# KiCad board 192_key.kicad_pcb (continued)
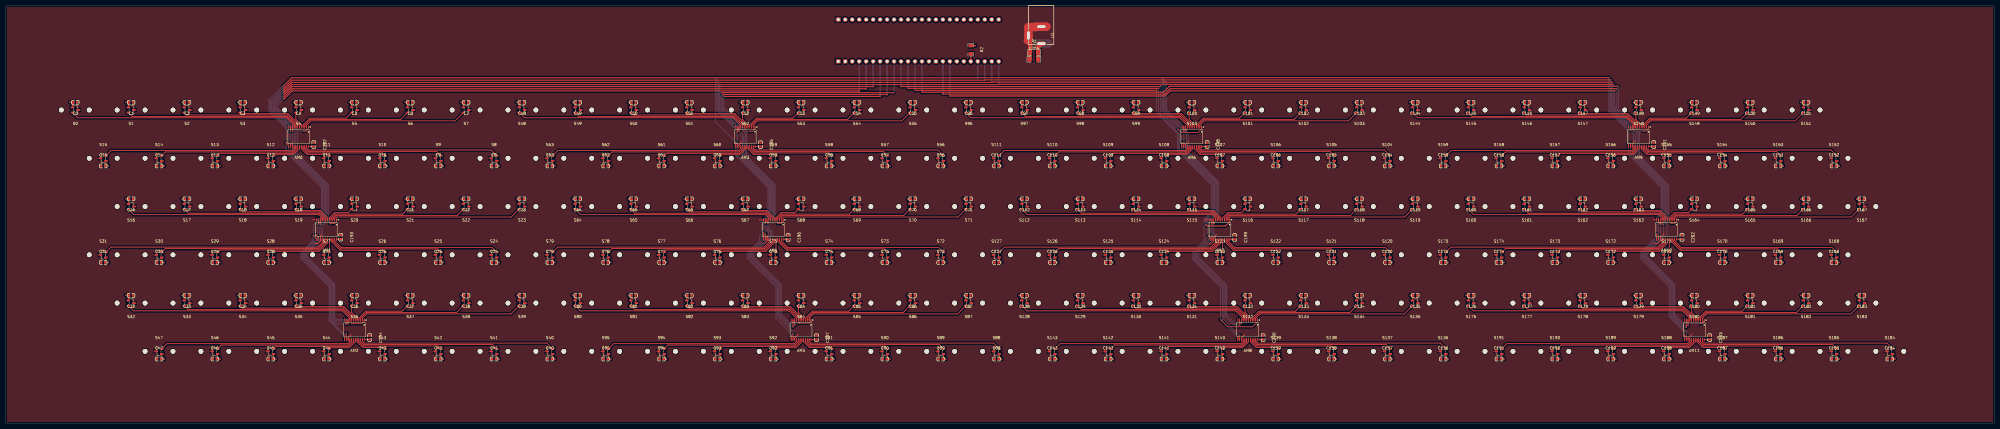
[diagram p0: board, top side]
## Routing (per net, layer and track width the routed paths; a pad name or vN(x,y) marks a point on that pad's centre or on a via; arc(x,y) is an arc through that point) (continued)
GND: length 64.4
  Top w0.305: AM4.12 274.34,74.27 274.32,74.29 ; AM8.15 449.82,31.25 450.85,32.28 451.08,32.28 ; 267.69,103.07 267.69,102.39 266.94,101.64 AM3.15 ; 593.24,103.12 592.06,101.94 AM9.15 ; 599.72,74.27 599.72,74.27 AM10.12 ; 104.65,102.69 104.38,102.42 AM0.15 ; 436.55,74.24 436.58,74.27 AM7.12 ; 430.61,102.84 429.5,101.73 AM6.15 ; 600.18,65.61 601.31,65.61 602.28,66.58 AM10.15 602.28,67.81 603.51,69.04 603.76,69.04 ; 125.76,32.31 125.76,32.31 124.7,31.25 AM2.15 ; 613.89,32.69 612.38,31.17 AM11.15 ; 438.1,65.43 438.65,65.43 439.72,66.5 AM7.15 439.72,67.76 440.89,68.94 ; AM1.12 111.91,74.27 111.89,74.29 ; 288.37,32.41 288.37,32.36 287.26,31.25 AM5.15 ; 112.52,65.66 113.76,65.66 114.6,66.5 AM1.15 114.6,68.3 115.16,68.86 ; 277.29,68.48 277.16,68.35 AM4.15 277.16,66.5 276.25,65.59 276.25,65.58
  Top w1.524: U1.3 372.86,140.93 R1.1 372.69,135.16 C204.1
  Top w3.048: 378.79,144.68 378.78,144.67 U1.2 375.1,144.67 374.95,144.53 372.36,144.53 372.31,144.47 U1.3 372.31,139.93 372.06,139.67
AM0: length 241.4
  Top w0.305: v1(108.51,106.63) 109.42,106.63 110.24,107.45 AM0.1
  Top w0.381: v1(310.69,121.31) 310.65,121.26 104.37,121.26 101.48,118.36 v1(101.19,118.36)
  Bottom w0.305: 98.98,115.11 107.46,106.63 v1(108.51,106.63) ; 98.98,115.11 98.91,115.11 ; 98.98,115.11 98.98,116.15 v1(101.19,118.36)
  Bottom w0.381: J2.4 v1(310.69,121.31)
AM0:0: length 83.1
  Top w0.305: S0.2 26.29,111.46 102.24,111.46 105.03,108.67 AM0.9
AM0:1: length 63.5
  Top w0.305: AM0.8 105.68,108.76 102.46,111.97 46.1,111.97 S1.2
AM0:2: length 43.9
  Top w0.305: AM0.7 106.33,108.82 102.67,112.47 65.92,112.47 S2.2
AM0:3: length 24.2
  Top w0.305: S3.2 85.73,112.98 102.88,112.98 106.98,108.88 AM0.6
AM0:4: length 6.1
  Top w0.305: S4.2 105.68,110.89 107.64,108.94 AM0.5
AM0:5: length 20.3
  Top w0.305: S5.2 124,111.35 110.75,111.35 108.29,108.88 AM0.4
AM0:6: length 40
  Top w0.305: S6.2 143.81,110.84 110.96,110.84 108.94,108.82 AM0.3
AM0:7: length 59.6
  Top w0.305: AM0.2 109.59,108.76 111.17,110.34 163.63,110.34 S7.2
AM0:8: length 71
  Top w0.305: AM0.23 109.59,100.33 110.19,99.72 176.73,99.72 S8.2
AM0:9: length 51.3
  Top w0.305: AM0.22 108.94,100.26 109.98,99.22 156.92,99.22 S9.2
AM0:10: length 31.7
  Top w0.305: S10.2 137.16,98.65 109.84,98.65 108.29,100.2 AM0.21
AM0:11: length 12.1
  Top w0.305: AM0.20 107.64,100.14 109.63,98.15 117.35,98.15 S11.2
AM0:12: length 11.3
  Top w0.305: S12.2 97.86,97.99 104.83,97.99 106.98,100.14 AM0.19
AM0:13: length 31
  Top w0.305: S13.2 78.05,98.5 104.63,98.5 106.33,100.2 AM0.18
AM0:14: length 50.6
  Top w0.305: S14.2 58.23,99.01 104.42,99.01 105.68,100.26 AM0.17
AM0:15: length 70.2
  Top w0.305: AM0.16 105.03,100.33 104.21,99.51 38.42,99.51 S15.2
AM1: length 282.2
  Top w0.305: v1(118.26,72.9) 119.74,72.9 120.46,73.62 AM1.1
  Top w0.381: v1(101.19,119.16) 101.46,119.16 104.31,122.02 v1(313.28,122.02)
  Bottom w0.305: v1(118.26,72.9) 117.48,73.68 117.48,87.09 106.17,98.4 106.17,107.13 98.4,114.91 98.4,116.49 101.07,119.16 v1(101.19,119.16)
  Bottom w0.381: J2.5 313.23,122.07 v1(313.28,122.02)
AM1:0: length 72.5
  Top w0.305: S16.2 46.72,76.15 114.03,76.15 115.25,74.93 AM1.9
AM1:1: length 52.9
  Top w0.305: AM1.8 115.9,74.99 114.24,76.66 66.54,76.66 S17.2
AM1:2: length 33.3
  Top w0.305: S18.2 86.35,77.16 114.45,77.16 116.55,75.06 AM1.7
AM1:3: length 13.6
  Top w0.305: S19.2 106.17,77.67 114.65,77.67 117.2,75.12 AM1.6
AM1:4: length 10.2
  Top w0.305: AM1.5 117.86,75.04 119.68,76.85 124.7,76.85 S20.2
AM1:5: length 29.8
  Top w0.305: AM1.4 118.51,74.97 119.89,76.35 144.51,76.35 S21.2
AM1:6: length 49.5
  Top w0.305: S22.2 164.33,75.84 120.09,75.84 119.16,74.91 AM1.3
AM1:7: length 69.1
  Top w0.305: S23.2 184.09,75.29 120.25,75.29 119.81,74.85 AM1.2
AM1:8: length 61.3
  Top w0.305: AM1.23 119.81,66.58 122.23,64.16 177.1,64.16 S24.2
AM1:9: length 41.6
  Top w0.305: AM1.22 119.16,66.5 122,63.66 157.28,63.66 S25.2
AM1:10: length 22
  Top w0.305: AM1.21 118.51,66.43 121.8,63.15 137.47,63.15 S26.2
AM1:11: length 4.7
  Top w0.305: S27.2 117.86,62.48 AM1.20
AM1:12: length 22.4
  Top w0.305: S28.2 97.85,62.79 114.15,62.79 117.2,65.84 AM1.19
AM1:13: length 42
  Top w0.305: S29.2 78.04,63.29 113.94,63.29 116.55,65.91 AM1.18
AM1:14: length 61.7
  Top w0.305: AM1.17 115.9,65.97 113.73,63.8 58.22,63.8 S30.2
AM1:15: length 81.3
  Top w0.305: S31.2 38.42,64.31 113.53,64.31 115.25,66.03 AM1.16
AM2: length 335.8
  Top w0.305: AM2.1 130.56,37.14 129.81,36.4 v1(126.01,36.4)
  Top w0.381: v1(315.87,122.83) 104.31,122.83 101.44,119.96 v1(101.19,119.96)
  Bottom w0.305: v1(101.19,119.96) 101.07,119.96 97.89,116.79 97.89,114.7 105.37,107.22 105.37,98.49 116.98,86.88 116.98,73.85 115.44,72.32 115.44,72.3 115.21,72.07 115.21,67.11 109.58,61.47 109.58,61.01 119.84,50.75 119.84,38.28 120.25,37.87 124.54,37.87 v1(126.01,36.4)
  Bottom w0.381: J2.6 315.77,122.94 v1(315.87,122.83)
AM2:0: length 83.1
  Top w0.305: S32.2 46.61,41.07 122.56,41.07 125.35,38.28 AM2.9
AM2:1: length 63.5
  Top w0.305: S33.2 66.42,41.58 122.78,41.58 126,38.37 AM2.8
AM2:2: length 43.9
  Top w0.305: S34.2 86.24,42.08 122.99,42.08 126.65,38.43 AM2.7
AM2:3: length 24.2
  Top w0.305: S35.2 106.05,42.59 123.2,42.59 127.3,38.49 AM2.6
AM2:4: length 6.1
  Top w0.305: S36.2 126,40.5 127.96,38.55 AM2.5
AM2:5: length 20.3
  Top w0.305: AM2.4 128.61,38.49 131.07,40.96 144.32,40.96 S37.2
AM2:6: length 40
  Top w0.305: AM2.3 129.26,38.43 131.28,40.45 164.13,40.45 S38.2
AM2:7: length 59.6
  Top w0.305: AM2.2 129.91,38.37 131.49,39.95 183.95,39.95 S39.2
AM2:8: length 71
  Top w0.305: S40.2 197.05,29.33 130.51,29.33 129.91,29.94 AM2.23
AM2:9: length 51.3
  Top w0.305: S41.2 177.24,28.83 130.3,28.83 129.26,29.87 AM2.22
AM2:10: length 31.7
  Top w0.305: AM2.21 128.61,29.81 130.16,28.26 157.48,28.26 S42.2
AM2:11: length 12.1
  Top w0.305: AM2.20 127.96,29.75 129.95,27.76 137.67,27.76 S43.2
AM2:12: length 11.3
  Top w0.305: S44.2 118.18,27.6 125.15,27.6 127.3,29.75 AM2.19
AM2:13: length 31
  Top w0.305: S45.2 98.37,28.11 124.95,28.11 126.65,29.81 AM2.18
AM2:14: length 50.6
  Top w0.305: S46.2 78.55,28.62 124.74,28.62 126,29.87 AM2.17
AM2:15: length 70.2
  Top w0.305: AM2.16 125.35,29.94 124.53,29.12 58.74,29.12 S47.2
AM3: length 89.7
  Top w0.305: AM3.1 272.8,107.45 271.88,106.53 v1(270.94,106.53)
  Top w0.381: v1(261.63,119.24) v1(318.36,119.24)
  Bottom w0.305: v1(261.63,119.24) 261.47,119.07 261.47,115.11 261.54,115.11 270.13,106.53 v1(270.94,106.53)
  Bottom w0.381: v1(318.36,119.24) 318.31,119.29 J2.7
AM3:0: length 83.1
  Top w0.305: AM3.9 267.59,108.67 264.8,111.46 188.85,111.46 S48.2
AM3:1: length 63.5
  Top w0.305: S49.2 208.66,111.97 265.02,111.97 268.24,108.76 AM3.8
AM3:2: length 43.9
  Top w0.305: S50.2 228.48,112.47 265.23,112.47 268.89,108.82 AM3.7
AM3:3: length 24.2
  Top w0.305: AM3.6 269.54,108.88 265.44,112.98 248.29,112.98 S51.2
AM3:4: length 6.1
  Top w0.305: AM3.5 270.2,108.94 268.24,110.89 S52.2
AM3:5: length 20.3
  Top w0.305: S53.2 286.56,111.35 273.31,111.35 270.85,108.88 AM3.4
AM3:6: length 40
  Top w0.305: AM3.3 271.5,108.82 273.52,110.84 306.37,110.84 S54.2
AM3:7: length 59.6
  Top w0.305: AM3.2 272.15,108.76 273.73,110.34 326.19,110.34 S55.2
AM3:8: length 71
  Top w0.305: S56.2 339.29,99.72 272.75,99.72 272.15,100.33 AM3.23
AM3:9: length 51.3
  Top w0.305: S57.2 319.48,99.22 272.54,99.22 271.5,100.26 AM3.22
AM3:10: length 31.7
  Top w0.305: AM3.21 270.85,100.2 272.4,98.65 299.72,98.65 S58.2
AM3:11: length 12.1
  Top w0.305: AM3.20 270.2,100.14 272.19,98.15 279.91,98.15 S59.2
AM3:12: length 11.3
  Top w0.305: AM3.19 269.54,100.14 267.39,97.99 260.42,97.99 S60.2
AM3:13: length 31
  Top w0.305: S61.2 240.61,98.5 267.19,98.5 268.89,100.2 AM3.18
AM3:14: length 50.6
  Top w0.305: S62.2 220.79,99.01 266.98,99.01 268.24,100.26 AM3.17
AM3:15: length 70.2
  Top w0.305: AM3.16 267.59,100.33 266.77,99.51 200.98,99.51 S63.2
AM4: length 130
  Top w0.305: v1(281.15,72.97) 282.38,72.97 283.02,73.62 AM4.1
  Top w0.381: v1(261.11,119.84) 261.19,119.93 v1(320.9,119.93)
  Bottom w0.305: v1(261.11,119.84) 260.96,119.69 260.96,114.91 269.75,106.12 269.75,97.38 280.04,87.09 280.04,74.08 v1(281.15,72.97)
  Bottom w0.381: J2.8 320.85,119.98 v1(320.9,119.93)
AM4:0: length 72.5
  Top w0.305: AM4.9 277.81,74.93 276.59,76.15 209.28,76.15 S64.2
AM4:1: length 52.9
  Top w0.305: AM4.8 278.46,74.99 276.8,76.66 229.1,76.66 S65.2
AM4:2: length 33.3
  Top w0.305: S66.2 248.91,77.16 277.01,77.16 279.11,75.06 AM4.7
AM4:3: length 13.6
  Top w0.305: S67.2 268.73,77.67 277.21,77.67 279.76,75.12 AM4.6
AM4:4: length 10.2
  Top w0.305: AM4.5 280.42,75.04 282.24,76.85 287.26,76.85 S68.2
AM4:5: length 29.8
  Top w0.305: AM4.4 281.07,74.97 282.45,76.35 307.07,76.35 S69.2
AM4:6: length 49.5
  Top w0.305: AM4.3 281.72,74.91 282.65,75.84 326.89,75.84 S70.2
AM4:7: length 69.1
  Top w0.305: S71.2 346.65,75.29 282.81,75.29 282.37,74.85 AM4.2
AM4:8: length 61.3
  Top w0.305: AM4.23 282.37,66.58 284.79,64.16 339.66,64.16 S72.2
AM4:9: length 41.6
  Top w0.305: AM4.22 281.72,66.5 284.56,63.66 319.84,63.66 S73.2
AM4:10: length 22
  Top w0.305: S74.2 300.03,63.15 284.36,63.15 281.07,66.43 AM4.21
AM4:11: length 4.7
  Top w0.305: AM4.20 280.42,62.48 S75.2
AM4:12: length 22.4
  Top w0.305: S76.2 260.41,62.79 276.71,62.79 279.76,65.84 AM4.19
AM4:13: length 42
  Top w0.305: S77.2 240.6,63.29 276.5,63.29 279.11,65.91 AM4.18
AM4:14: length 61.7
  Top w0.305: S78.2 220.78,63.8 276.29,63.8 278.46,65.97 AM4.17
AM4:15: length 81.3
  Top w0.305: S79.2 200.98,64.31 276.09,64.31 277.81,66.03 AM4.16
AM5: length 183.9
  Top w0.305: AM5.1 293.12,37.14 292.57,36.59 v1(288.78,36.59)
  Top w0.381: v1(260.6,120.57) 260.65,120.62 322.99,120.62 v1(323.04,120.57)
  Bottom w0.305: v1(288.78,36.59) 288.77,36.6 285.53,36.6 282.4,39.73 282.4,50.75 272.14,61.01 272.14,61.47 279.02,68.35 279.02,69.98 277.94,71.06 277.94,72.64 279.54,74.24 279.54,86.88 269.24,97.17 269.24,105.91 260.45,114.7 260.45,120.42 v1(260.6,120.57)
  Bottom w0.381: J2.9 323.39,120.92 v1(323.04,120.57)
AM5:0: length 83.1
  Top w0.305: AM5.9 287.91,38.28 285.12,41.07 209.17,41.07 S80.2
AM5:1: length 63.5
  Top w0.305: AM5.8 288.56,38.37 285.34,41.58 228.98,41.58 S81.2
AM5:2: length 43.9
  Top w0.305: AM5.7 289.21,38.43 285.55,42.08 248.8,42.08 S82.2
AM5:3: length 24.2
  Top w0.305: S83.2 268.61,42.59 285.76,42.59 289.86,38.49 AM5.6
AM5:4: length 6.1
  Top w0.305: AM5.5 290.52,38.55 288.56,40.5 S84.2
AM5:5: length 20.3
  Top w0.305: AM5.4 291.17,38.49 293.63,40.96 306.88,40.96 S85.2
AM5:6: length 40
  Top w0.305: AM5.3 291.82,38.43 293.84,40.45 326.69,40.45 S86.2
AM5:7: length 59.6
  Top w0.305: AM5.2 292.47,38.37 294.05,39.95 346.51,39.95 S87.2
AM5:8: length 71
  Top w0.305: S88.2 359.61,29.33 293.07,29.33 292.47,29.94 AM5.23
AM5:9: length 51.3
  Top w0.305: AM5.22 291.82,29.87 292.86,28.83 339.8,28.83 S89.2
AM5:10: length 31.7
  Top w0.305: AM5.21 291.17,29.81 292.72,28.26 320.04,28.26 S90.2
AM5:11: length 12.1
  Top w0.305: AM5.20 290.52,29.75 292.51,27.76 300.23,27.76 S91.2
AM5:12: length 11.3
  Top w0.305: AM5.19 289.86,29.75 287.71,27.6 280.74,27.6 S92.2
AM5:13: length 31
  Top w0.305: AM5.18 289.21,29.81 287.51,28.11 260.93,28.11 S93.2
AM5:14: length 50.6
  Top w0.305: AM5.17 288.56,29.87 287.3,28.62 241.11,28.62 S94.2
AM5:15: length 70.2
  Top w0.305: AM5.16 287.91,29.94 287.09,29.12 221.3,29.12 S95.2
AM6: length 132.6
  Top w0.305: AM6.1 435.36,107.45 433.99,106.08 427.86,106.08 v1(426.71,107.23) ; 325.98,122.96 325.93,123 v1(325.93,122.86)
  Top w0.381: v1(420.34,122.96) 420.24,122.86 v1(325.93,122.86)
  Bottom w0.305: v1(426.71,107.23) 420.34,113.59 v1(420.34,122.96) ; v1(325.93,122.86) J2.10
AM6:0: length 83.1
  Top w0.305: S96.2 351.41,111.46 427.36,111.46 430.15,108.67 AM6.9
AM6:1: length 63.5
  Top w0.305: S97.2 371.22,111.97 427.58,111.97 430.8,108.76 AM6.8
AM6:2: length 43.9
  Top w0.305: AM6.7 431.45,108.82 427.79,112.47 391.04,112.47 S98.2
AM6:3: length 24.2
  Top w0.305: AM6.6 432.1,108.88 428,112.98 410.85,112.98 S99.2
AM6:4: length 6.1
  Top w0.305: AM6.5 432.76,108.94 430.8,110.89 S100.2
AM6:5: length 20.3
  Top w0.305: AM6.4 433.41,108.88 435.87,111.35 449.12,111.35 S101.2
AM6:6: length 40
  Top w0.305: AM6.3 434.06,108.82 436.08,110.84 468.93,110.84 S102.2
AM6:7: length 59.6
  Top w0.305: AM6.2 434.71,108.76 436.29,110.34 488.75,110.34 S103.2
AM6:8: length 71
  Top w0.305: S104.2 501.85,99.72 435.31,99.72 434.71,100.33 AM6.23
AM6:9: length 51.3
  Top w0.305: AM6.22 434.06,100.26 435.1,99.22 482.04,99.22 S105.2
AM6:10: length 31.7
  Top w0.305: AM6.21 433.41,100.2 434.96,98.65 462.28,98.65 S106.2
AM6:11: length 12.1
  Top w0.305: S107.2 442.47,98.15 434.75,98.15 432.76,100.14 AM6.20
AM6:12: length 11.3
  Top w0.305: S108.2 422.98,97.99 429.95,97.99 432.1,100.14 AM6.19
AM6:13: length 31
  Top w0.305: S109.2 403.17,98.5 429.75,98.5 431.45,100.2 AM6.18
AM6:14: length 50.6
  Top w0.305: AM6.17 430.8,100.26 429.54,99.01 383.35,99.01 S110.2
AM6:15: length 70.2
  Top w0.305: AM6.16 430.15,100.33 429.33,99.51 363.54,99.51 S111.2
AM7: length 170.3
  Top w0.381: v1(328.47,122.16) v1(419.66,122.16) ; AM7.1 445.58,73.54 444.04,72 437.36,72 v1(436.92,72.44)
  Bottom w0.381: v1(436.92,72.44) 436.92,74.42 439.54,77.03 439.54,87.14 427.15,99.53 427.15,105.8 419.66,113.28 v1(419.66,122.16) ; J2.11 v1(328.47,122.16)
AM7:0: length 72.5
  Top w0.305: S112.2 371.84,76.15 439.15,76.15 440.37,74.93 AM7.9
AM7:1: length 52.9
  Top w0.305: S113.2 391.66,76.66 439.36,76.66 441.02,74.99 AM7.8
AM7:2: length 33.3
  Top w0.305: AM7.7 441.67,75.06 439.57,77.16 411.47,77.16 S114.2
AM7:3: length 13.6
  Top w0.305: AM7.6 442.32,75.12 439.77,77.67 431.29,77.67 S115.2
AM7:4: length 10.2
  Top w0.305: S116.2 449.82,76.85 444.8,76.85 442.98,75.04 AM7.5
AM7:5: length 29.8
  Top w0.305: AM7.4 443.63,74.97 445.01,76.35 469.63,76.35 S117.2
AM7:6: length 49.5
  Top w0.305: AM7.3 444.28,74.91 445.21,75.84 489.45,75.84 S118.2
AM7:7: length 69.1
  Top w0.305: S119.2 509.21,75.29 445.37,75.29 444.93,74.85 AM7.2
AM7:8: length 61.3
  Top w0.305: AM7.23 444.93,66.58 447.35,64.16 502.22,64.16 S120.2
AM7:9: length 41.6
  Top w0.305: AM7.22 444.28,66.5 447.12,63.66 482.4,63.66 S121.2
AM7:10: length 22
  Top w0.305: AM7.21 443.63,66.43 446.92,63.15 462.59,63.15 S122.2
AM7:11: length 4.7
  Top w0.305: S123.2 442.98,62.48 AM7.20
AM7:12: length 22.4
  Top w0.305: AM7.19 442.32,65.84 439.27,62.79 422.97,62.79 S124.2
AM7:13: length 42
  Top w0.305: AM7.18 441.67,65.91 439.06,63.29 403.16,63.29 S125.2
AM7:14: length 61.7
  Top w0.305: S126.2 383.34,63.8 438.85,63.8 441.02,65.97 AM7.17
AM7:15: length 81.3
  Top w0.305: AM7.16 440.37,66.03 438.65,64.31 363.54,64.31 S127.2
AM8: length 213.3
  Top w0.305: AM8.1 455.68,37.06 453.89,35.27 444.85,35.27 v1(442.27,37.85)
  Top w0.381: v1(331.06,121.47) v1(418.97,121.47)
  Bottom w0.305: v1(418.97,121.47) 418.97,113.21 426.6,105.57 426.6,99.31 438.99,86.92 438.99,77.26 436.22,74.48 436.22,66.56 432.17,62.51 432.17,59.82 442.27,49.72 v1(442.27,37.85)
  Bottom w0.381: v1(331.06,121.47) 331.01,121.52 J2.12
AM8:0: length 83.1
  Top w0.305: AM8.9 450.47,38.28 447.68,41.07 371.73,41.07 S128.2
AM8:1: length 63.5
  Top w0.305: AM8.8 451.12,38.37 447.9,41.58 391.54,41.58 S129.2
AM8:2: length 43.9
  Top w0.305: S130.2 411.36,42.08 448.11,42.08 451.77,38.43 AM8.7
AM8:3: length 24.2
  Top w0.305: S131.2 431.17,42.59 448.32,42.59 452.42,38.49 AM8.6
AM8:4: length 6.1
  Top w0.305: AM8.5 453.08,38.55 451.12,40.5 S132.2
AM8:5: length 20.3
  Top w0.305: S133.2 469.44,40.96 456.19,40.96 453.73,38.49 AM8.4
AM8:6: length 40
  Top w0.305: S134.2 489.25,40.45 456.4,40.45 454.38,38.43 AM8.3
AM8:7: length 59.6
  Top w0.305: AM8.2 455.03,38.37 456.61,39.95 509.07,39.95 S135.2
AM8:8: length 71
  Top w0.305: AM8.23 455.03,29.94 455.63,29.33 522.17,29.33 S136.2
AM8:9: length 51.3
  Top w0.305: S137.2 502.36,28.83 455.42,28.83 454.38,29.87 AM8.22
AM8:10: length 31.7
  Top w0.305: S138.2 482.6,28.26 455.28,28.26 453.73,29.81 AM8.21
AM8:11: length 12.1
  Top w0.305: S139.2 462.79,27.76 455.07,27.76 453.08,29.75 AM8.20
AM8:12: length 11.3
  Top w0.305: AM8.19 452.42,29.75 450.27,27.6 443.3,27.6 S140.2
AM8:13: length 31
  Top w0.305: S141.2 423.49,28.11 450.07,28.11 451.77,29.81 AM8.18
AM8:14: length 50.6
  Top w0.305: S142.2 403.67,28.62 449.86,28.62 451.12,29.87 AM8.17
AM8:15: length 70.2
  Top w0.305: S143.2 383.86,29.12 449.65,29.12 450.47,29.94 AM8.16
AM9: length 288.8
  Top w0.305: AM9.1 597.92,107.45 597.15,106.68 v1(596.14,106.68)
  Top w0.381: v1(333.55,120.78) 421.47,120.78 423.64,122.96 586.67,122.96 v1(586.74,122.89)
  Bottom w0.305: v1(596.14,106.68) 595.09,106.68 587.1,114.68 587.1,122.53 v1(586.74,122.89)
  Bottom w0.381: J2.13 v1(333.55,120.78)
AM9:0: length 83.1
  Top w0.305: S144.2 513.97,111.46 589.92,111.46 592.71,108.67 AM9.9
AM9:1: length 63.5
  Top w0.305: AM9.8 593.36,108.76 590.14,111.97 533.78,111.97 S145.2
AM9:2: length 43.9
  Top w0.305: AM9.7 594.01,108.82 590.35,112.47 553.6,112.47 S146.2
AM9:3: length 24.2
  Top w0.305: AM9.6 594.66,108.88 590.56,112.98 573.41,112.98 S147.2
AM9:4: length 6.1
  Top w0.305: S148.2 593.36,110.89 595.32,108.94 AM9.5
AM9:5: length 20.3
  Top w0.305: S149.2 611.68,111.35 598.43,111.35 595.97,108.88 AM9.4
AM9:6: length 40
  Top w0.305: AM9.3 596.62,108.82 598.64,110.84 631.49,110.84 S150.2
AM9:7: length 59.6
  Top w0.305: AM9.2 597.27,108.76 598.85,110.34 651.31,110.34 S151.2
AM9:8: length 71
  Top w0.305: AM9.23 597.27,100.33 597.87,99.72 664.41,99.72 S152.2
AM9:9: length 51.3
  Top w0.305: S153.2 644.6,99.22 597.66,99.22 596.62,100.26 AM9.22
AM9:10: length 31.7
  Top w0.305: AM9.21 595.97,100.2 597.52,98.65 624.84,98.65 S154.2
AM9:11: length 12.1
  Top w0.305: AM9.20 595.32,100.14 597.31,98.15 605.03,98.15 S155.2
AM9:12: length 11.3
  Top w0.305: S156.2 585.54,97.99 592.51,97.99 594.66,100.14 AM9.19
AM9:13: length 31
  Top w0.305: S157.2 565.73,98.5 592.31,98.5 594.01,100.2 AM9.18
AM9:14: length 50.6
  Top w0.305: S158.2 545.91,99.01 592.1,99.01 593.36,100.26 AM9.17
AM9:15: length 70.2
  Top w0.305: AM9.16 592.71,100.33 591.89,99.51 526.1,99.51 S159.2
AM10: length 318.4
  Top w0.305: v1(606.25,73) 607.52,73 608.14,73.62 AM10.1
  Top w0.381: v1(586.44,122.07) 586.41,122.1 581.89,122.1 581.86,122.07 423.88,122.07 421.9,120.09 v1(341.17,120.09)
  Bottom w0.305: v1(606.25,73) 605.16,74.08 605.16,87.09 594.66,97.59 594.66,106.32 586.08,114.91 586.08,115.11 586.44,115.48 v1(586.44,122.07)
  Bottom w0.381: J2.16 v1(341.17,120.09)
AM10:0: length 72.5
  Top w0.305: S160.2 534.4,76.15 601.71,76.15 602.93,74.93 AM10.9
AM10:1: length 52.9
  Top w0.305: S161.2 554.22,76.66 601.92,76.66 603.58,74.99 AM10.8
AM10:2: length 33.3
  Top w0.305: S162.2 574.03,77.16 602.13,77.16 604.23,75.06 AM10.7
AM10:3: length 13.6
  Top w0.305: AM10.6 604.88,75.12 602.33,77.67 593.85,77.67 S163.2
AM10:4: length 10.2
  Top w0.305: AM10.5 605.54,75.04 607.36,76.85 612.38,76.85 S164.2
AM10:5: length 29.8
  Top w0.305: AM10.4 606.19,74.97 607.57,76.35 632.19,76.35 S165.2
AM10:6: length 49.5
  Top w0.305: AM10.3 606.84,74.91 607.77,75.84 652.01,75.84 S166.2
AM10:7: length 69.1
  Top w0.305: AM10.2 607.49,74.85 607.93,75.29 671.77,75.29 S167.2
AM10:8: length 61.3
  Top w0.305: AM10.23 607.49,66.58 609.91,64.16 664.78,64.16 S168.2
AM10:9: length 41.6
  Top w0.305: S169.2 644.96,63.66 609.68,63.66 606.84,66.5 AM10.22
AM10:10: length 22
  Top w0.305: AM10.21 606.19,66.43 609.48,63.15 625.15,63.15 S170.2
AM10:11: length 4.7
  Top w0.305: S171.2 605.54,62.48 AM10.20
AM10:12: length 22.4
  Top w0.305: AM10.19 604.88,65.84 601.83,62.79 585.53,62.79 S172.2
AM10:13: length 42
  Top w0.305: AM10.18 604.23,65.91 601.62,63.29 565.72,63.29 S173.2
AM10:14: length 61.7
  Top w0.305: S174.2 545.9,63.8 601.41,63.8 603.58,65.97 AM10.17
AM10:15: length 81.3
  Top w0.305: S175.2 526.1,64.31 601.21,64.31 602.93,66.03 AM10.16
AM11: length 365.4
  Top w0.305: AM11.1 618.24,37.14 617.52,36.42 v1(616.92,36.42)
  Top w0.381: v1(343.71,119.4) 422.03,119.4 423.88,121.26 585.57,121.26 v1(585.72,121.41)
  Bottom w0.305: v1(585.72,121.41) 585.57,121.26 585.57,114.7 594.16,106.11 594.16,97.38 604.66,86.88 604.66,68.87 597.26,61.47 597.26,61.01 607.52,50.75 607.52,39.73 610.83,36.42 v1(616.92,36.42)
  Bottom w0.381: J2.17 v1(343.71,119.4)
AM11:0: length 83.1
  Top w0.305: AM11.9 613.03,38.28 610.24,41.07 534.29,41.07 S176.2
AM11:1: length 63.5
  Top w0.305: S177.2 554.1,41.58 610.46,41.58 613.68,38.37 AM11.8
AM11:2: length 43.9
  Top w0.305: AM11.7 614.33,38.43 610.67,42.08 573.92,42.08 S178.2
AM11:3: length 24.2
  Top w0.305: AM11.6 614.98,38.49 610.88,42.59 593.73,42.59 S179.2
AM11:4: length 6.1
  Top w0.305: S180.2 613.68,40.5 615.64,38.55 AM11.5
AM11:5: length 20.3
  Top w0.305: AM11.4 616.29,38.49 618.75,40.96 632,40.96 S181.2
AM11:6: length 40
  Top w0.305: S182.2 651.81,40.45 618.96,40.45 616.94,38.43 AM11.3
AM11:7: length 59.6
  Top w0.305: AM11.2 617.59,38.37 619.17,39.95 671.63,39.95 S183.2
AM11:8: length 71
  Top w0.305: AM11.23 617.59,29.94 618.19,29.33 684.73,29.33 S184.2
AM11:9: length 51.3
  Top w0.305: AM11.22 616.94,29.87 617.98,28.83 664.92,28.83 S185.2
AM11:10: length 31.7
  Top w0.305: AM11.21 616.29,29.81 617.84,28.26 645.16,28.26 S186.2
AM11:11: length 12.1
  Top w0.305: AM11.20 615.64,29.75 617.63,27.76 625.35,27.76 S187.2
AM11:12: length 11.3
  Top w0.305: S188.2 605.86,27.6 612.83,27.6 614.98,29.75 AM11.19
AM11:13: length 31
  Top w0.305: AM11.18 614.33,29.81 612.63,28.11 586.05,28.11 S189.2
AM11:14: length 50.6
  Top w0.305: AM11.17 613.68,29.87 612.42,28.62 566.23,28.62 S190.2
AM11:15: length 70.2
  Top w0.305: S191.2 546.42,29.12 612.21,29.12 613.03,29.94 AM11.16
CONTROL0: length 938.2
  Top w0.305: v1(439.78,72.98) 439.68,73.07 439.68,74.23 AM7.10 ; AM8.10 449.82,36.58 v1(449.82,36.58) ; AM0.10 104.38,107.45 104.57,107.25 v1(104.57,106.58) ; AM2.10 124.7,36.38 v1(124.7,36.37) ; AM3.10 266.94,107.45 266.95,107.43 v1(266.95,106.61) ; v1(603.4,72.5) 602.24,73.66 602.24,74.23 AM10.10 ; AM9.10 592.06,107.45 592.6,106.9 v1(592.6,106.75) ; AM4.10 277.16,73.7 277.6,73.26 277.6,73.22 v1(277.43,73.06) ; v1(429.65,106.73) 429.65,107.3 429.5,107.45 AM6.10 ; v1(612.38,35.77) AM11.10 ; v1(287.26,35.95) AM5.10 ; AM1.10 114.56,74.23 114.56,72.8 v1(114.79,72.57)
  Top w0.381: 585.06,123.65 v1(361.49,123.65) 361.39,123.55 104.2,123.55 101.41,120.76 v1(101.19,120.76)
  Bottom w0.305: v1(101.19,120.76) 101.07,120.76 97.39,117.08 97.39,114.49 104.57,107.31 v1(104.57,106.58) 104.57,98.57 116.47,86.67 116.47,74.21 114.84,72.57 v1(114.79,72.57) 114.56,72.34 114.56,72.33 114.41,72.18 114.41,67.02 109.07,61.68 109.07,60.8 119.33,50.54 119.33,38 119.97,37.36 123.71,37.36 v1(124.7,36.37) ; v1(612.38,35.77) 610.77,35.77 607.01,39.52 607.01,50.54 596.75,60.8 596.75,61.68 603.4,68.33 v1(603.4,72.5) 603.55,72.5 604.15,73.1 604.15,86.67 593.34,97.48 593.34,106.01 v1(592.6,106.75) 592.6,106.96 585.07,114.49 585.07,123.5 v1(585.22,123.65) ; v1(287.26,35.95) 285.47,35.95 281.89,39.52 281.89,50.54 271.63,60.8 271.63,61.68 278.52,68.56 278.52,69.77 277.43,70.86 v1(277.43,73.06) 277.53,73.06 279.03,74.56 279.03,86.67 268.68,97.02 268.68,104.89 v1(266.95,106.61) 266.95,107.49 259.95,114.49 259.95,123.4 v1(260.1,123.55) ; v1(449.82,36.58) 447.4,36.58 444.45,39.52 444.45,50.54 434.19,60.8 434.19,61.68 440.22,67.71 440.22,69.01 439.78,69.45 439.78,72.97 v1(439.78,72.98) 439.8,72.98 441.59,74.77 441.59,88 430.43,99.16 430.43,105.95 v1(429.65,106.73) 429.65,107.35 422.51,114.49 422.51,123.5 v1(422.66,123.65)
  Bottom w0.381: v1(361.49,123.65) J2.24
CONTROL1: length 943.1
  Top w0.305: v1(113.91,72.6) 113.95,72.64 AM1.11 ; v1(449.17,35.92) AM8.11 ; AM9.11 591.41,107.03 v1(591.45,106.98) ; AM4.11 276.51,73.06 v1(276.5,73.05) ; v1(428.85,106.73) AM6.11 ; AM11.11 611.72,37.71 611.72,35.5 611.73,35.49 v1(611.73,35.12) ; v1(439.03,72.69) 439.07,72.74 AM7.11 ; v1(602.31,72.67) 601.63,73.35 AM10.11 ; v1(286.6,35.3) 286.6,37.71 AM5.11 ; v1(266.29,106.17) AM3.11 ; AM2.11 124.05,36.47 v1(123.86,36.29) ; v1(103.73,106.58) AM0.11
  Top w0.381: v1(101.19,121.56) 101.39,121.56 104.19,124.36 v1(259.64,124.36) 358.85,124.36 v1(358.95,124.46) 584.56,124.46
  Bottom w0.305: v1(611.73,35.12) 610.7,35.12 606.5,39.32 606.5,50.34 596.25,60.59 596.25,61.89 602.28,67.92 602.28,72.64 v1(602.31,72.67) 602.65,72.67 603.13,73.15 603.41,73.15 603.65,73.4 603.65,86.46 592.43,97.68 592.43,106 591.95,106.48 591.95,106.49 v1(591.45,106.98) 591.45,107.39 584.57,114.28 584.57,124.31 v1(584.71,124.46) ; v1(286.6,35.3) 285.41,35.3 281.38,39.32 281.38,50.34 271.13,60.59 271.13,61.89 277.7,68.46 277.7,69.88 276.5,71.07 v1(276.5,73.05) 278.53,75.08 278.53,86.46 268.12,96.87 268.12,104.34 v1(266.29,106.17) 266.29,107.44 259.45,114.28 259.45,124.16 v1(259.64,124.36) ; v1(101.19,121.56) 101.07,121.56 96.89,117.38 96.89,114.28 103.73,107.44 v1(103.73,106.58) 103.77,106.53 103.77,98.66 115.97,86.46 115.97,74.67 113.91,72.61 v1(113.91,72.6) 113.61,72.3 113.61,66.93 108.57,61.89 108.57,60.59 118.82,50.34 118.82,37.8 120.34,36.29 v1(123.86,36.29) ; v1(422.15,124.46) 422.01,124.31 422.01,114.28 428.85,107.44 v1(428.85,106.73) 428.85,106.61 429.77,105.69 429.77,99.11 441.09,87.79 441.09,76.39 439.01,74.32 439.01,72.71 v1(439.03,72.69) 439.01,72.68 439.01,69.5 439.72,68.8 439.72,67.92 433.69,61.89 433.69,60.59 443.94,50.34 443.94,39.03 447.04,35.92 v1(449.17,35.92)
  Bottom w0.381: v1(358.95,124.46) J2.23
CONTROL2: length 954
  Top w0.305: v1(266.29,102.23) AM3.14 ; v1(102.97,102.46) 103.73,101.71 AM0.14 ; AM1.14 113.95,68.01 113.14,68.82 v1(112.78,68.82) ; AM11.14 611.73,31.9 v1(611.73,31.9) ; v1(601.62,68.58) 601.62,68.02 601.63,68.01 AM10.14 ; v1(439.06,68.53) 439.06,68.02 439.07,68.01 AM7.14 ; v1(286.61,32.53) AM5.14 ; v1(428.85,102.41) AM6.14 ; v1(276.5,69.04) 276.5,68.02 276.51,68.01 AM4.14 ; AM2.14 124.05,32.77 v1(124.03,32.79) ; v1(449.16,32.16) 449.17,32.16 AM8.14 ; v1(591.41,102.21) AM9.14
  Top w0.381: v1(101.19,122.36) 101.37,122.36 104.18,125.17 356.26,125.17 v1(356.36,125.27) 584.05,125.27
  Bottom w0.305: v1(421.65,125.27) 421.5,125.13 421.5,114.07 428.19,107.38 428.19,106.46 428.85,105.8 428.85,102.42 v1(428.85,102.41) 428.85,99.32 440.59,87.58 440.59,76.6 438.08,74.1 438.08,69.51 v1(439.06,68.53) 437.83,67.29 437.83,66.74 433.18,62.1 433.18,60.29 443.43,50.04 443.43,37.78 449.05,32.16 v1(449.16,32.16) ; v1(124.03,32.79) 123.12,32.79 118.31,37.59 118.31,50.04 108.06,60.29 108.06,62.1 112.71,66.74 112.71,68.76 v1(112.78,68.82) 112.77,68.84 112.77,72.38 115.47,75.08 115.47,86.25 102.97,98.74 v1(102.97,102.46) 103.07,102.57 103.07,107.38 96.38,114.07 96.38,117.67 101.07,122.36 v1(101.19,122.36) ; v1(611.73,31.9) 611.73,33.38 605.99,39.12 605.99,50.04 595.74,60.29 595.74,62.1 601.62,67.98 v1(601.62,68.58) 601.62,75.13 603.15,76.65 603.15,86.25 591.41,97.98 591.41,102.2 v1(591.41,102.21) 590.8,102.82 590.8,107.33 584.06,114.07 584.06,125.13 v1(584.21,125.27) ; v1(259.09,125.17) 258.94,125.02 258.94,114.07 265.63,107.38 265.63,105.9 266.27,105.27 266.27,102.25 v1(266.29,102.23) 266.29,102.23 266.29,97.98 278.03,86.25 278.03,75.94 275.82,73.73 275.82,70.52 276.5,69.83 v1(276.5,69.04) 275.27,67.8 275.27,66.74 270.62,62.1 270.62,60.29 280.87,50.04 280.87,39.12 286.61,33.38 v1(286.61,32.53)
  Bottom w0.381: v1(356.36,125.27) 356.41,125.32 J2.22
CONTROL3: length 956
  Top w0.305: v1(600.97,69.07) 600.97,67.16 AM10.13 ; v1(611.08,32.44) AM11.13 ; v1(448.51,31.7) 448.52,31.7 AM8.13 ; v1(285.95,31.95) 285.96,31.95 AM5.13 ; v1(275.85,69.56) 275.85,67.16 AM4.13 ; AM1.13 112.06,68.4 v1(112.06,68.48) ; AM7.13 438.12,67.45 v1(438.12,68.51) ; v1(428.05,102.41) 428.05,101.13 AM6.13 ; AM0.13 102.17,101.89 v1(102.17,102.46) ; v1(590.62,102.07) 590.62,101.12 AM9.13 ; AM3.13 265.62,101 v1(265.62,102.8) ; v1(123.39,32.14) 123.4,32.14 AM2.13
  Top w0.381: v1(583.54,126.09) v1(421.03,126.09) v1(353.87,126.09) 353.82,126.03 v1(258.42,126.03) 104.06,126.03 v1(101.19,123.16)
  Bottom w0.305: v1(611.08,32.44) 611.08,33.32 605.49,38.91 605.49,49.78 595.24,60.03 595.24,62.3 600.97,68.04 v1(600.97,69.07) 600.97,75.24 602.64,76.91 602.64,86.04 590.6,98.08 590.6,102.06 v1(590.62,102.07) 590.62,102.28 590.29,102.61 590.29,107.12 583.56,113.86 583.56,126.07 v1(583.54,126.09) ; v1(285.95,31.95) 285.95,32.85 280.37,38.44 280.37,49.78 270.12,60.03 270.12,62.3 274.47,66.66 274.47,68.17 v1(275.85,69.56) 275.31,70.1 275.31,73.94 277.52,76.15 277.52,86.04 265.61,97.95 265.61,102.8 v1(265.62,102.8) 258.42,110 v1(258.42,126.03) ; v1(448.51,31.7) 442.93,37.29 442.93,49.78 432.68,60.03 432.68,62.3 437.03,66.66 437.03,67.42 v1(438.12,68.51) 437.58,69.06 437.58,74.31 440.08,76.81 440.08,87.37 428.05,99.4 v1(428.05,102.41) 428.05,102.5 427.69,102.86 427.69,107.17 421,113.86 421,126.05 v1(421.03,126.09) ; v1(101.19,123.16) 101.07,123.16 95.88,117.97 95.88,113.86 102.17,107.57 v1(102.17,102.46) 102.17,98.83 114.96,86.04 114.96,75.29 112.06,72.38 v1(112.06,68.48) 111.91,68.33 111.91,66.66 107.56,62.3 107.56,60.03 117.81,49.78 117.81,37.39 123.06,32.14 v1(123.39,32.14)
  Bottom w0.381: v1(353.87,126.09) J2.21
Net-(J2-37_CS): length 2.8
  Top w0.381: J2.20 R2.2

## Copper pours and planes (outline as drawn; the poured copper is in the pictures)
+3.3V on Bottom: -76.2,292.1 1600.2,292.1 1600.2,-114.3 -76.2,-114.3
GND on Top: -76.2,292.1 1600.2,292.1 1600.2,-114.3 -76.2,-114.3
